# Altium PCB TFT-ES32-V1.1.PcbDoc (part 1 of 2)
Units mm, origin at the board's own origin, x right, y up, seen from the top; angles counter-clockwise.
Board outline 181.1 x 103.94 mm, 2 copper layers (Top, Bottom), stack 1.57 mm thick; 160 components, 110 nets, 535 pads, 316 vias.
Unrouted connection lines stored in the file: 1.
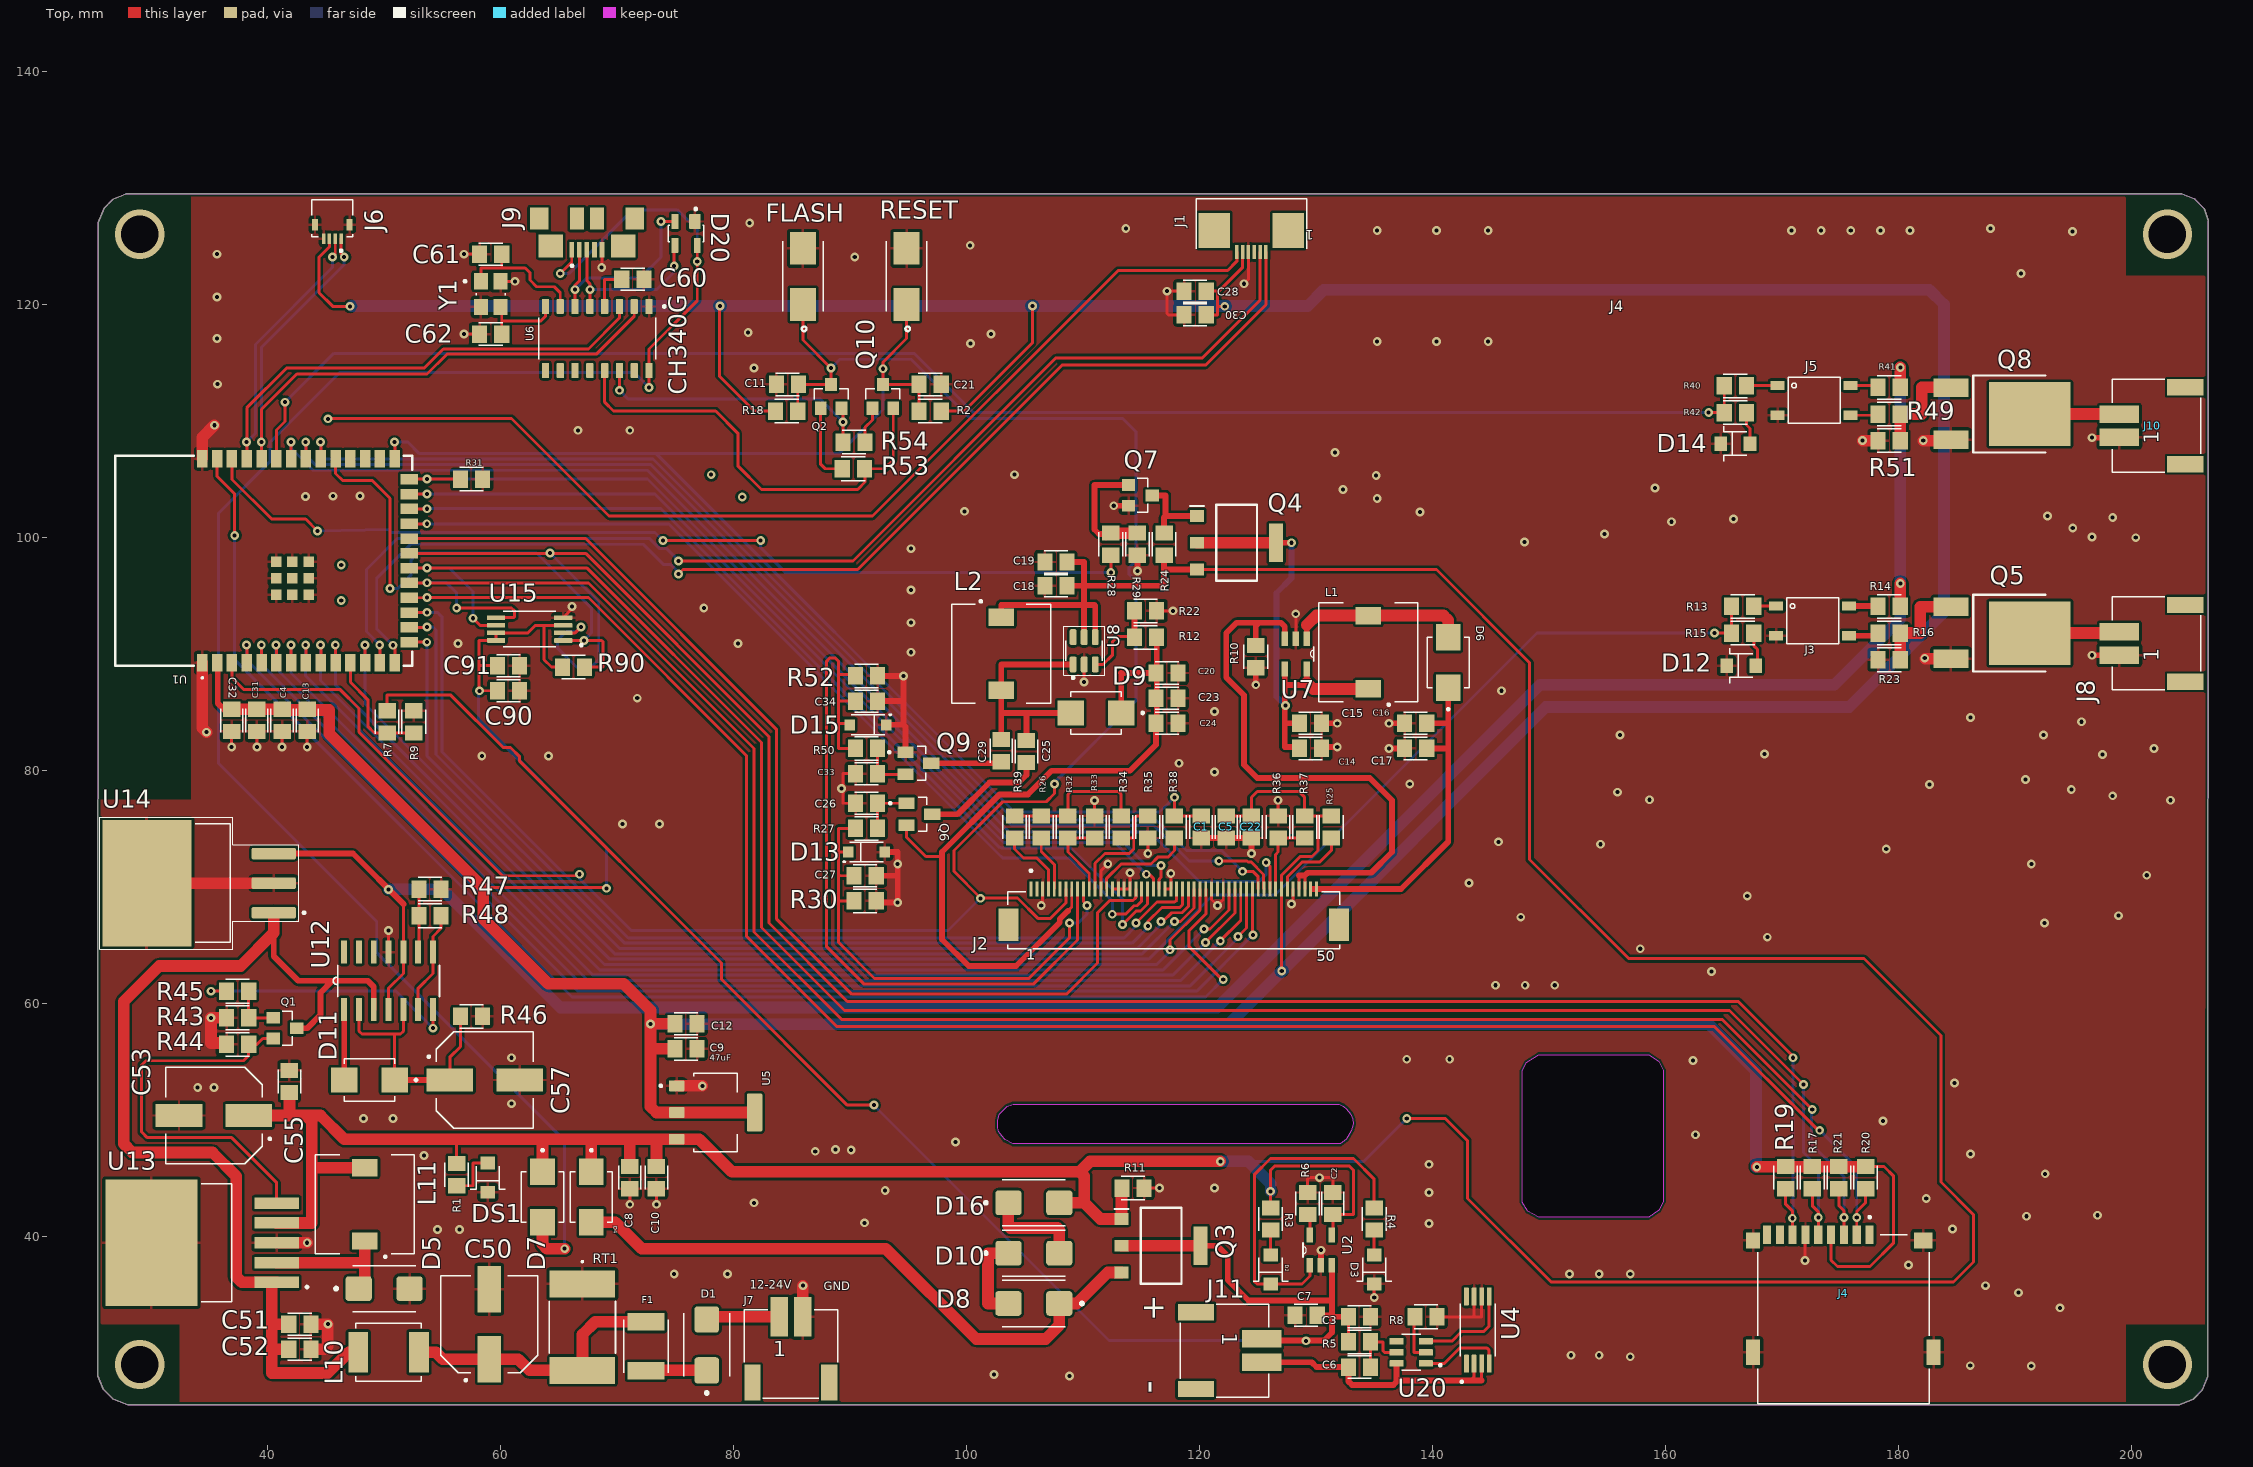
[diagram p0: Top view]
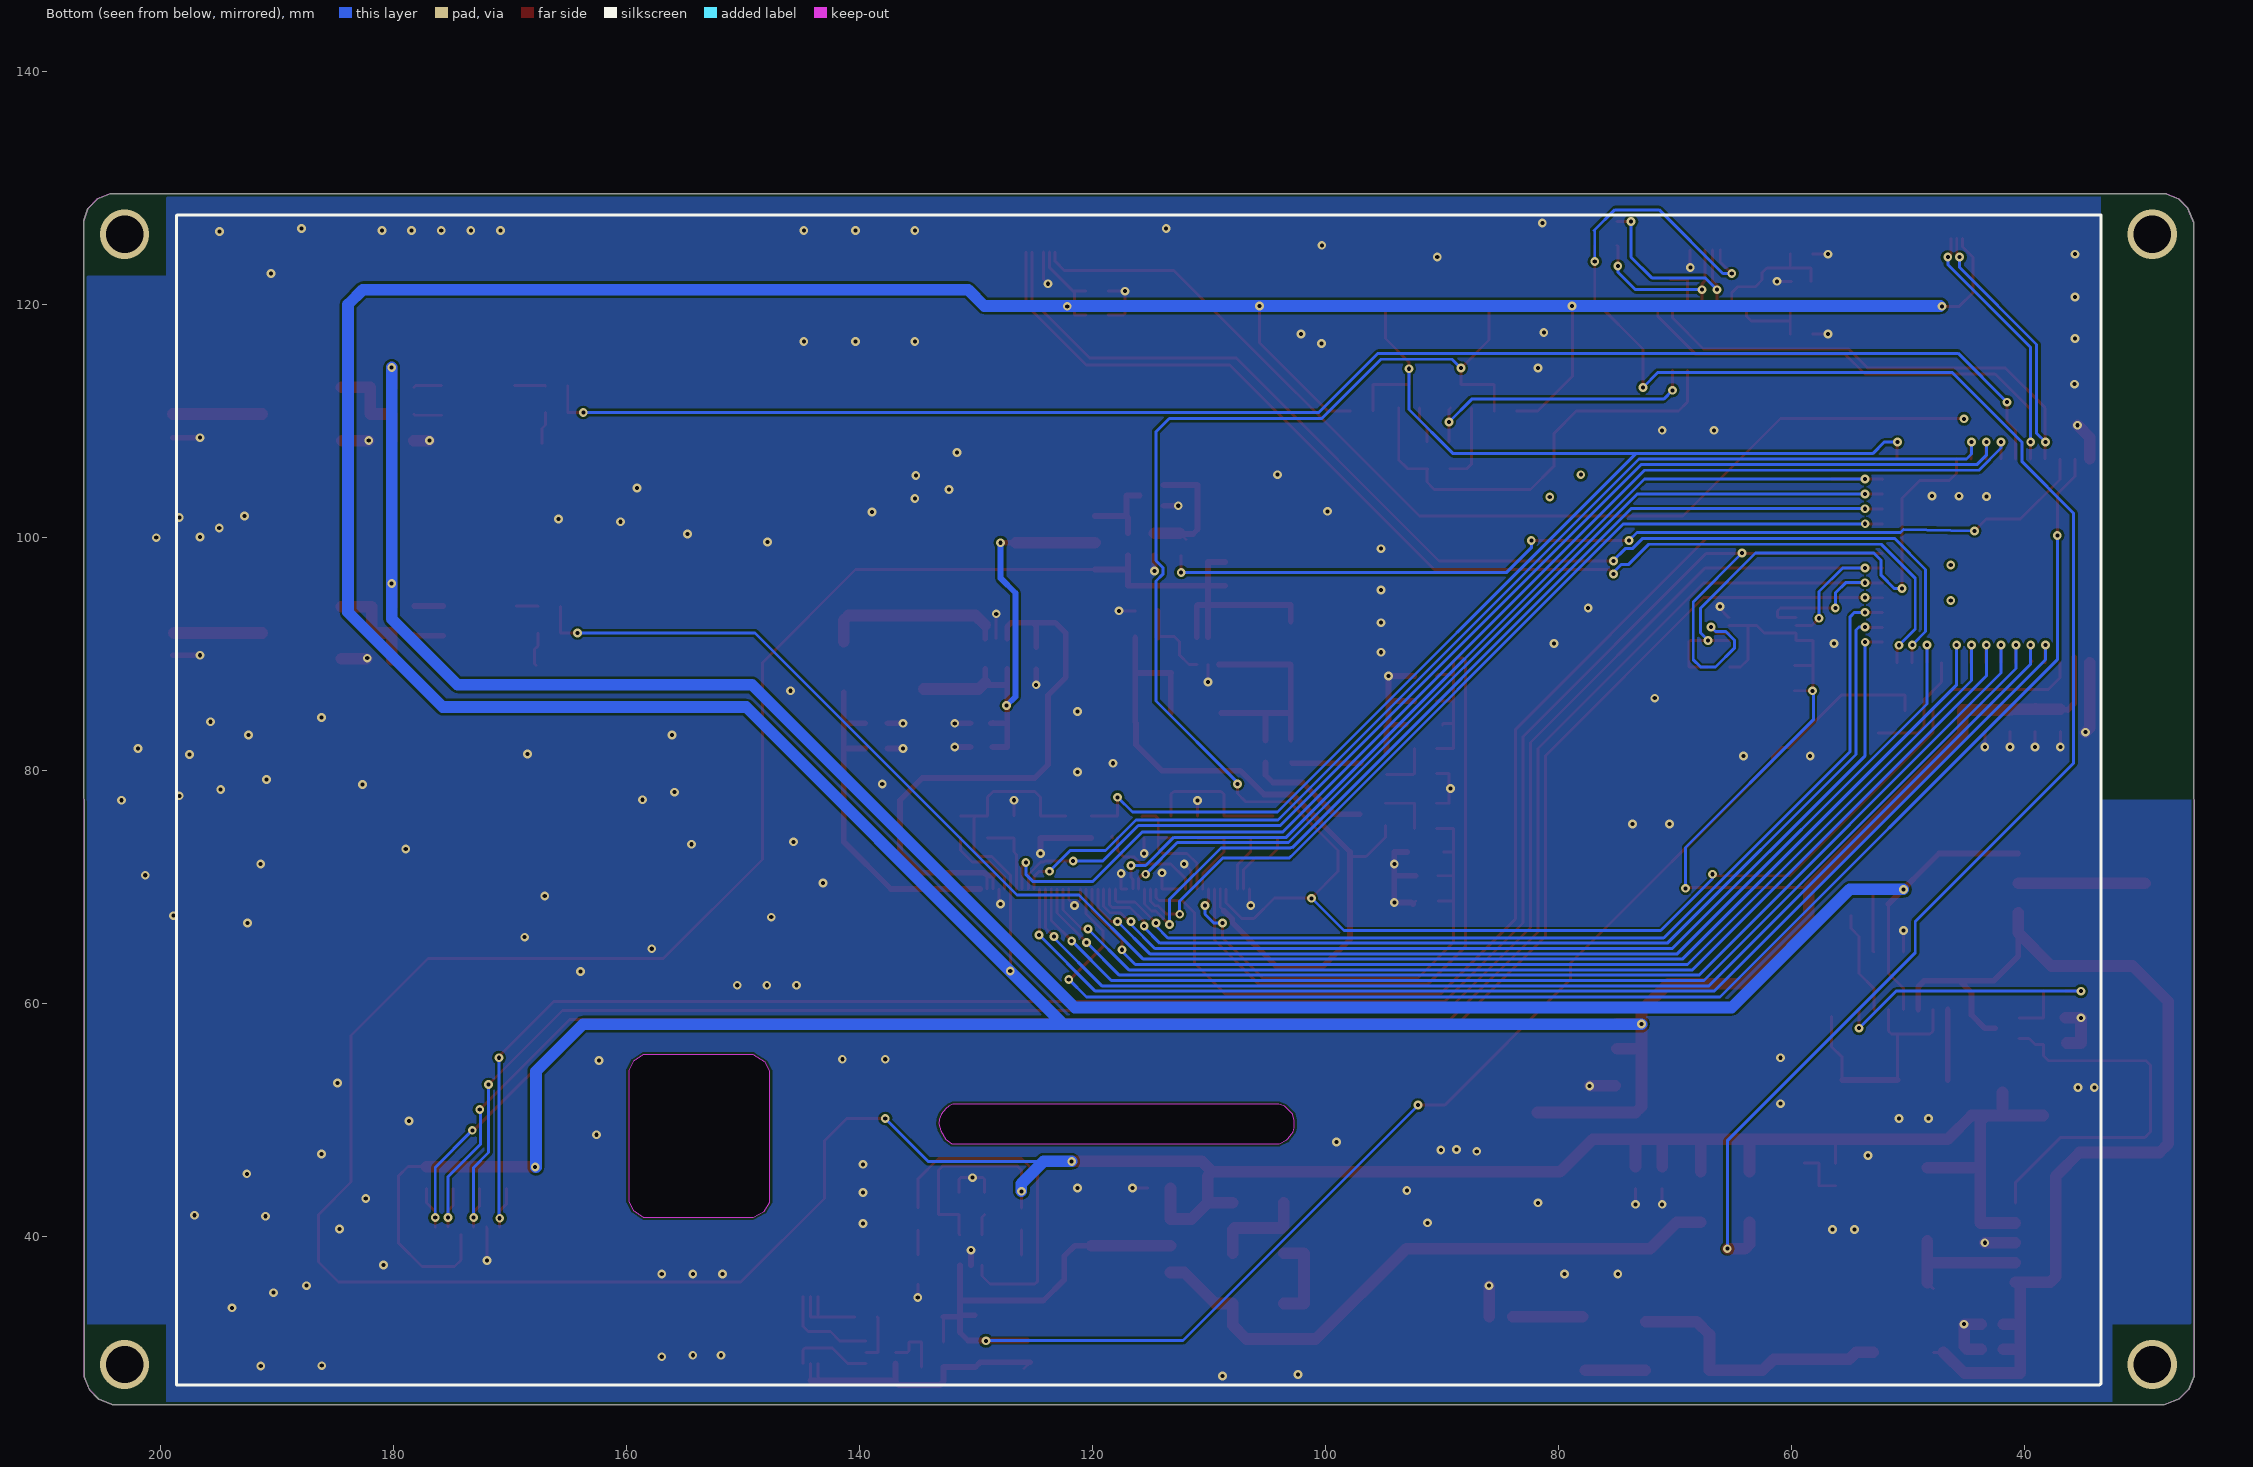
[diagram p1: Bottom view, seen from below]
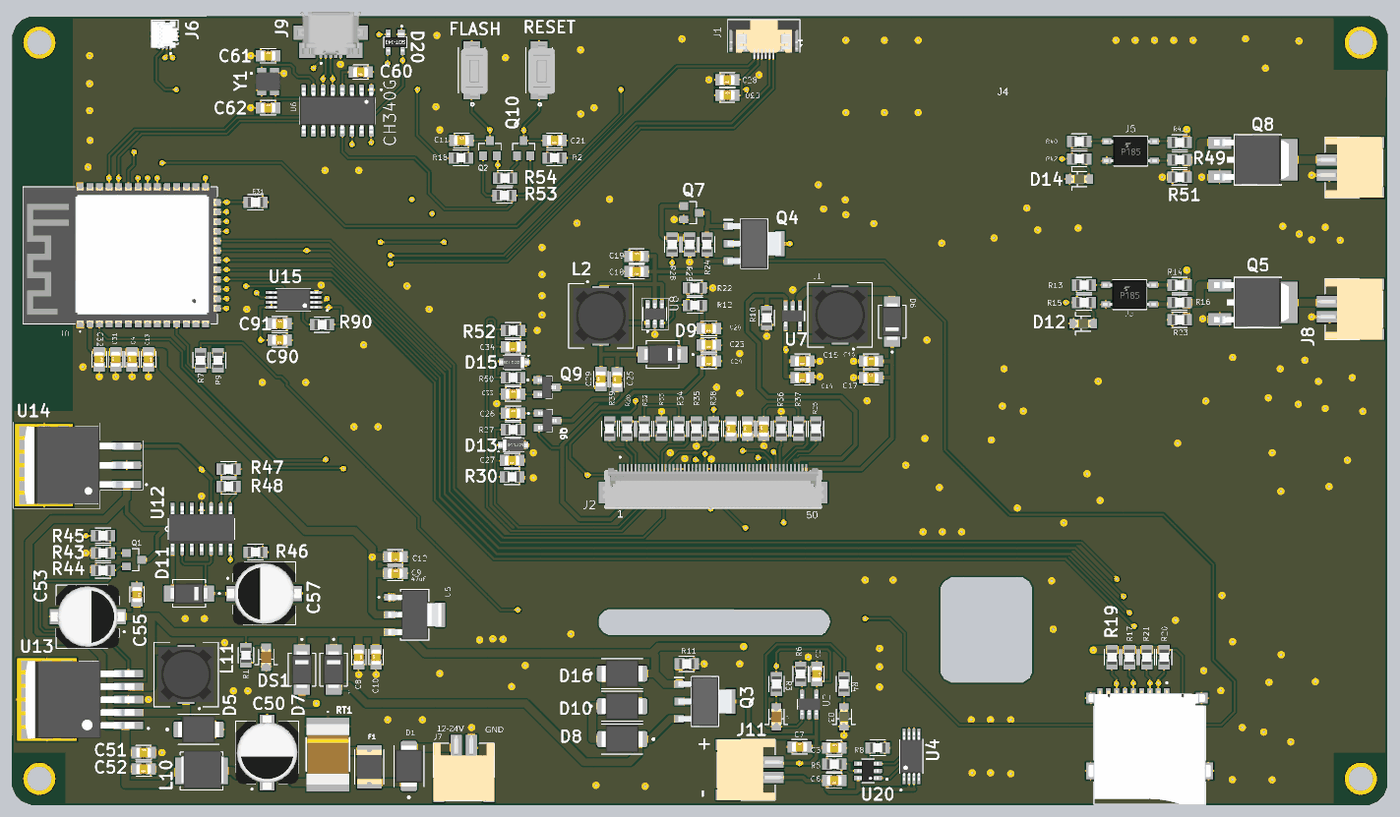
[diagram p3: 3D render of the assembled board from above, using the file's embedded part models]

## Layer stack, top to bottom
Top Solder: solder mask 0.0102, Solder Resist, Dk 3.5
Top: signal copper 0.035
Dielectric 1: core 1.5, FR-4, Dk 4.8
Bottom: signal copper 0.035
Bottom Solder: solder mask 0.0102, Solder Resist, Dk 3.5

## Board outline
204.301,129.524 27.884,129.498 26.751,129.029 26.009,128.287 25.493,127.041 25.468,28.069 25.948,26.91 26.73,26.128 28.037,25.587 204.102,25.587 205.279,26.074 206.079,26.874 206.544,27.997 206.57,127.215 206.217,128.251 205.399,129.069
cut-out: 132.09,47.974 104,48 103.322,48.318 103.244,48.412 102.894,48.863 102.786,49.025 102.691,49.388 102.691,49.989 102.817,50.513 103.497,51.193 104.005,51.403 132.02,51.378 132.333,51.221 132.585,51.016 133.005,50.546 133.163,50.091 133.214,49.693 133.038,49.093 132.593,48.369
cut-out: 158.54,41.696 149.132,41.696 148.173,42.203 147.704,42.983 147.704,54.239 148.104,54.975 149.132,55.64 158.54,55.64 159.399,55.067 159.8,54.318 159.8,43.018 159.399,42.269

## Design rules (kind name [scope] priority, off if disabled: settings)
Clearance [All] p1: gap=0.203 ignorepadtopadclearanceinfootprint=FALSE except(0: SMDPad-SMDPad SMDPad-THPad SMDPad-Via; 0.178: Track-THPad THPad-THPad)
Clearance "Clearance (Same Net)" [All] p2: gap=0 ignorepadtopadclearanceinfootprint=FALSE except(0.203: SMDPad-SMDPad SMDPad-THPad SMDPad-Via)
HoleSize HoleSize_1 [All] p1: absolutevalues=TRUE maxlimit=2540 minlimit=0.35 maxpercent=80.000 minpercent=20.000
HoleSize [All] p2: absolutevalues=TRUE maxlimit=2.54 minlimit=0.025 maxpercent=80.000 minpercent=20.000
HoleToHoleClearance mdViaViaSameLayer [All] p1: gap=0.152 allowstackedmicrovias=TRUE
HoleToHoleClearance [All] p2: gap=0.254 allowstackedmicrovias=TRUE
PasteMaskExpansion mlMinCreamFrame [All] p1: expansion=0
PasteMaskExpansion [All] p2: expansion=0
PolygonConnect ThermalVias [IsVia] p1: connectstyle=Direct reliefconductorwidth=0.254 reliefentries=4 polygonreliefangle="90 Angle" airgapwidth=0.254
PolygonConnect [All] p2: connectstyle=Relief reliefconductorwidth=0.254 reliefentries=4 polygonreliefangle="90 Angle" airgapwidth=0.254
RoutingVias [All] p1: holewidth=0.711 width=1.27 viastyle="Through Hole" minholewidth=0.711 minwidth=1.27 maxholewidth=0.711 maxwidth=1.27
SilkToSilkClearance [All] p1 off: silktosilkclearance=0.254
SilkToSolderMaskClearance [IsPad] p1 off: minsilkscreentomaskgap=0.254 clearancetoexposedcopper=TRUE
SolderMaskExpansion mlMinStopFrame [All] p1: expansion=0.102
SolderMaskExpansion [All] p2: expansion=0.102
Width Width_1 [All] p1: maxlimit=2540 minlimit=0.254 preferedwidth=0.254
Width [All] p2: maxlimit=0.254 minlimit=0.254 preferedwidth=0.254
25 further rules are at their usual default settings.

## Components (designator, comment, footprint, x,y, rotation, side; value= is the part's Value field where it differs from the comment)
C1 "0.1uF/NC" C_0805-3D 120.142,75.184 r90 top
C2 "4.7uF/5V" C_0805-3D 131.445,42.86 r270 top
C3 "10uF" C_0805-3D 133.731,33.147 r0 top
C4 "100uF" C_0805-3D 41.275,84.328 r90 top
C5 "1uF" C_0805-3D 122.301,75.184 r90 top
C6 "10uF/5V" C_0805-3D 133.731,28.829 r180 top
C7 "4.7uF/5V" C_0805-3D 129.159,33.274 r0 top
C8 "47uF" C_0805-3D 71.12,45.085 r270 top
C9 "47uF" C_0805-3D 75.946,56.134 r0 top
C10 "100nF" C_0805-3D 73.406,45.085 r90 top
C11 "1uF" C_0805-3D 84.648,113.157 r0 top
C12 "100nF" C_0805-3D 75.946,58.293 r180 top
C13 "10uF" C_0805-3D 43.434,84.328 r270 top
C14 "capacitor caramico" C_0805-3D 129.54,81.915 r180 top value=22uF
C15 "capacitor caramico" C_0805-3D 129.54,84.074 r180 top value=22uF
C16 "capacitor caramico" C_0805-3D 138.557,84.074 r0 top value=22uF
C17 "capacitor caramico" C_0805-3D 138.557,81.915 r0 top value=22uF
C18 "capacitor caramico" C_0805-3D 107.696,95.885 r180 top value=22uF
C19 "capacitor caramico" C_0805-3D 107.696,97.917 r0 top value=1uF
C20 "capacitor caramico" C_0805-3D 117.221,88.392 r180 top value=22uF
C21 "1uF" C_0805-3D 96.901,113.157 r180 top
C22 "100nF" C_0805-3D 124.46,75.184 r90 top
C23 "capacitor caramico" C_0805-3D 117.221,86.233 r180 top value=1uF
C24 "capacitor caramico" C_0805-3D 117.221,84.074 r180 top value=100nF
C25 "capacitor caramico" C_0805-3D 105.156,81.661 r90 top value=22uF
C26 "capacitor caramico" C_0805-3D 91.44,77.216 r0 top value=22uF
C27 "capacitor caramico" C_0805-3D 91.313,70.993 r180 top value=22uF
C28 "10uF" C_0805-3D 119.634,121.158 r180 top
C29 "capacitor caramico" C_0805-3D 102.997,81.722 r90 top value=22uF
C30 "100nF" C_0805-3D 119.634,119.126 r0 top
C31 "100uF" C_0805-3D 39.116,84.328 r90 top
C32 "47uF" C_0805-3D 36.957,84.328 r270 top
C33 "capacitor caramico" C_0805-3D 91.44,79.756 r0 top value=22uF
C34 "capacitor caramico" C_0805-3D 91.44,85.979 r180 top value=22uF
C50 "470uF/35V" "CAP_EEEFP1V221AV - duplicate" 59.055,32.512 r90 top
C51 "100nF" C_0805-3D 42.799,32.512 r0 top
C52 "100nF" C_0805-3D 42.799,30.353 r180 top
C53 "330uF/10V" "CAP_EEEFP1V221AV - duplicate" 35.433,50.419 r180 top
C55 "100nF" C_0805-3D 41.91,53.34 r270 top
C57 "CAP" "CAP_EEEFP1V221AV - duplicate" 58.674,53.467 r0 top value=100nF
C60 "10nf" C_0805-3D 71.374,122.174 r180 top
C61 "capacitor caramico" C_0805-3D 59.182,124.333 r0 top value=22pf
C62 "capacitor caramico" C_0805-3D 59.182,117.475 r0 top value=22pf
C90 "100nF" C_0805-3D 60.706,86.868 r180 top
C91 "10uF" C_0805-3D 60.706,89.027 r0 top
D1 "MBRS360BT3G" DIOM5436X247N 77.724,30.734 r90 top
D2 "RED" D_0805-RED 126.111,37.211 r270 top
D3 "GREEN" D_0805-GREEN 135.001,37.211 r270 top value=LTST-C171GKT
D4 "SS56B-HF" "SS56B-HF DO-214AA (SMB)" 67.818,43.434 r270 top value="Diodo Schottky 60 V 5A"
D5 "MBRS360BT3G" DIOM5436X247N 50.038,35.56 r0 top
D6 "SS56B-HF" "SS56B-HF DO-214AA (SMB)" 141.351,89.281 r90 top value="Diodo Schottky 60 V 5A"
D7 "SS56B-HF" "SS56B-HF DO-214AA (SMB)" 63.627,43.434 r270 top value="Diodo Schottky 60 V 5A"
D8 "MBRS360BT3G" DIOM5436X247N 105.791,34.29 r180 top
D9 "SS56B-HF" "SS56B-HF DO-214AA (SMB)" 111.125,84.963 r180 top value="Diodo Schottky 60 V 5A"
D10 "MBRS360BT3G" DIOM5436X247N 105.791,38.608 r0 top
D11 "SS56B-HF" "SS56B-HF DO-214AA (SMB)" 48.768,53.467 r180 top value="Diodo Schottky 60 V 5A"
D12 "LTST-C171GKT" D_0805-GREEN 166.497,89.027 r180 top
D13 "18V" SOD_123 91.44,73.025 r180 top
D14 "LTST-C171GKT" D_0805-GREEN 165.989,108.077 r180 top
D15 "8.2V" SOD_123 91.567,83.947 r0 top
D16 "MBRS360BT3G" DIOM5436X247N 105.791,42.926 r0 top
D20 "SP0503BAHTG" SOT143 75.946,126.111 r180 top
DS1 "LED-SMD" D_0805-RED 58.928,45.085 r270 top
F1 "FUSE-MF-MSMF075/24-2" FUSER_MF-MSMF075/24-2 72.517,30.607 r90 top
FLASH "buton-SMD" SW_147873-2 85.979,122.428 r90 top
J1 "FPC-6PIN-0.5MM" 68710614022 124.46,126.365 r180 top
J2 "F32D-1A7Y1-21050" AMPHENOL_F32D-1A7Y1-21050 117.796,66.776 r0 top
J3 "TLP185" SOP-4-2.54MM 172.847,92.837 r270 top
J4 "SD-micro-GTFP08131Y2HR" AMPHENOL_GTFP08131Y2HR 175.26,30.099 r0 top
J5 "TLP185" SOP-4-2.54MM 172.974,111.76 r270 top
J6 "CONEC-4P-0.5MM-59453-041110ECHLF" AMPHENOL_59453-041110ECHLF 45.593,126.873 r180 top
J7 "HEADER-2P" 620102131822 84.947,33.147 r0 top
J8 "HEADER-2P" 620102131822 198.947,90.934 r90 top
J9 "ZX62R-B-5P" HRS_ZX62R-B-5P 67.437,127.381 r180 top
J10 "HEADER-2P" 620102131822 198.947,109.603 r90 top
J11 "HEADER-2P" 620102131822 125.349,30.242 r270 top
L1 "6.8µH" DE0703-33 134.493,90.17 r90 top
L2 "DE0703-33" DE0703-33 102.997,90.043 r270 top value=22uH
L10 "1mH" INDM5650X530N 50.419,30.099 r180 top
L11 "DE0703-33" DE0703-33 48.387,42.799 r90 top
Q1 "S8050" SOT-23 41.529,57.912 r270 top
Q2 "S8050" SOT-23 88.392,112.141 r0 top
Q3 "NTF6P02T3G" SOT230P700X175-4N 116.713,39.243 r0 top
Q4 "NTF6P02T3G" SOT230P700X175-4N 123.19,99.568 r0 top
Q5 "MJD122" DPAK 189.409,91.821 r270 top
Q6 "BAT54S" SOT95P240X120-3N 95.969,76.266 r0 top
Q7 "S8050" SOT-23 114.935,103.632 r270 top
Q8 "MJD122" DPAK 189.409,110.617 r270 top
Q9 "BAT54S" SOT95P240X120-3N 95.885,80.645 r0 top
Q10 "S8050" SOT-23 92.837,112.141 r0 top
R1 "470" R_0805 56.261,45.339 r90 top
R2 "10R 5%" R_0805 96.901,110.871 r0 top
R3 "470" R_0805 126.111,41.529 r270 top
R4 "470" R_0805 135.001,41.529 r270 top
R5 "100R" R_0805 133.731,30.988 r180 top
R6 "2K" R_0805 129.286,42.86 r270 top
R7 "200k" R_0805 50.292,84.201 r90 top
R8 "1K" R_0805 139.446,33.147 r180 top
R9 "100k" R_0805 52.578,84.201 r270 top
R10 "82" R_0805 124.841,89.789 r90 top
R11 "10R 5%" R_0805 114.3,44.196 r0 top
R12 "75k" R_0805 115.382,91.44 r0 top
R13 "220" R_0805 166.624,94.107 r0 top
R14 "1k" R_0805 179.197,94.107 r0 top
R15 "220" R_0805 166.624,91.821 r0 top
R16 "1K" R_0805 179.197,91.821 r0 top
R17 "10K" R_0805 172.593,45.085 r90 top
R18 "10R 5%" R_0805 84.582,110.871 r180 top
R19 "10K" R_0805 170.307,45.085 r90 top
R20 "10K" R_0805 177.165,45.085 r90 top
R21 "10K" R_0805 174.879,45.085 r90 top
R22 "10.5K" R_0805 115.382,93.726 r180 top
R23 "1K" R_0805 179.197,89.535 r0 top
R24 "100K" R_0805 116.967,99.441 r270 top
R25 "10K" R_0805 131.318,75.184 r90 top
R26 "0R" R_0805 106.426,75.184 r270 top
R27 "10.5K" R_0805 91.44,75.057 r0 top
R28 "100R" R_0805 112.395,99.441 r270 top
R29 "10K" R_0805 114.681,99.441 r90 top
R30 "10.5K" R_0805 91.313,68.834 r180 top
R31 "10K" R_0805 57.531,105.029 r0 top
R32 "10K" R_0805 108.712,75.184 r90 top
R33 "10K" R_0805 110.998,75.184 r270 top
R34 "10K" R_0805 113.284,75.184 r90 top
R35 "10K" R_0805 115.57,75.184 r90 top
R36 "10K" R_0805 126.746,75.184 r90 top
R37 "10K" R_0805 129.032,75.184 r270 top
R38 "0R" R_0805 117.856,75.184 r270 top
R39 "10K N/C" R_0805 104.14,75.184 r270 top
R40 "220" R_0805 165.989,113.03 r180 top
R41 "1K" R_0805 179.197,112.903 r180 top
R42 "220" R_0805 165.989,110.744 r180 top
R43 "10K" R_0805 37.465,58.801 r0 top
R44 "47k" R_0805 37.465,56.515 r0 top
R45 "10K" R_0805 37.465,61.087 r0 top
R46 "10M" R_0805 57.531,58.928 r180 top
R47 "1K" R_0805 53.975,69.85 r180 top